# Allegro board rpi-cm4-carrierboard-v1_00-0a.brd (continued)
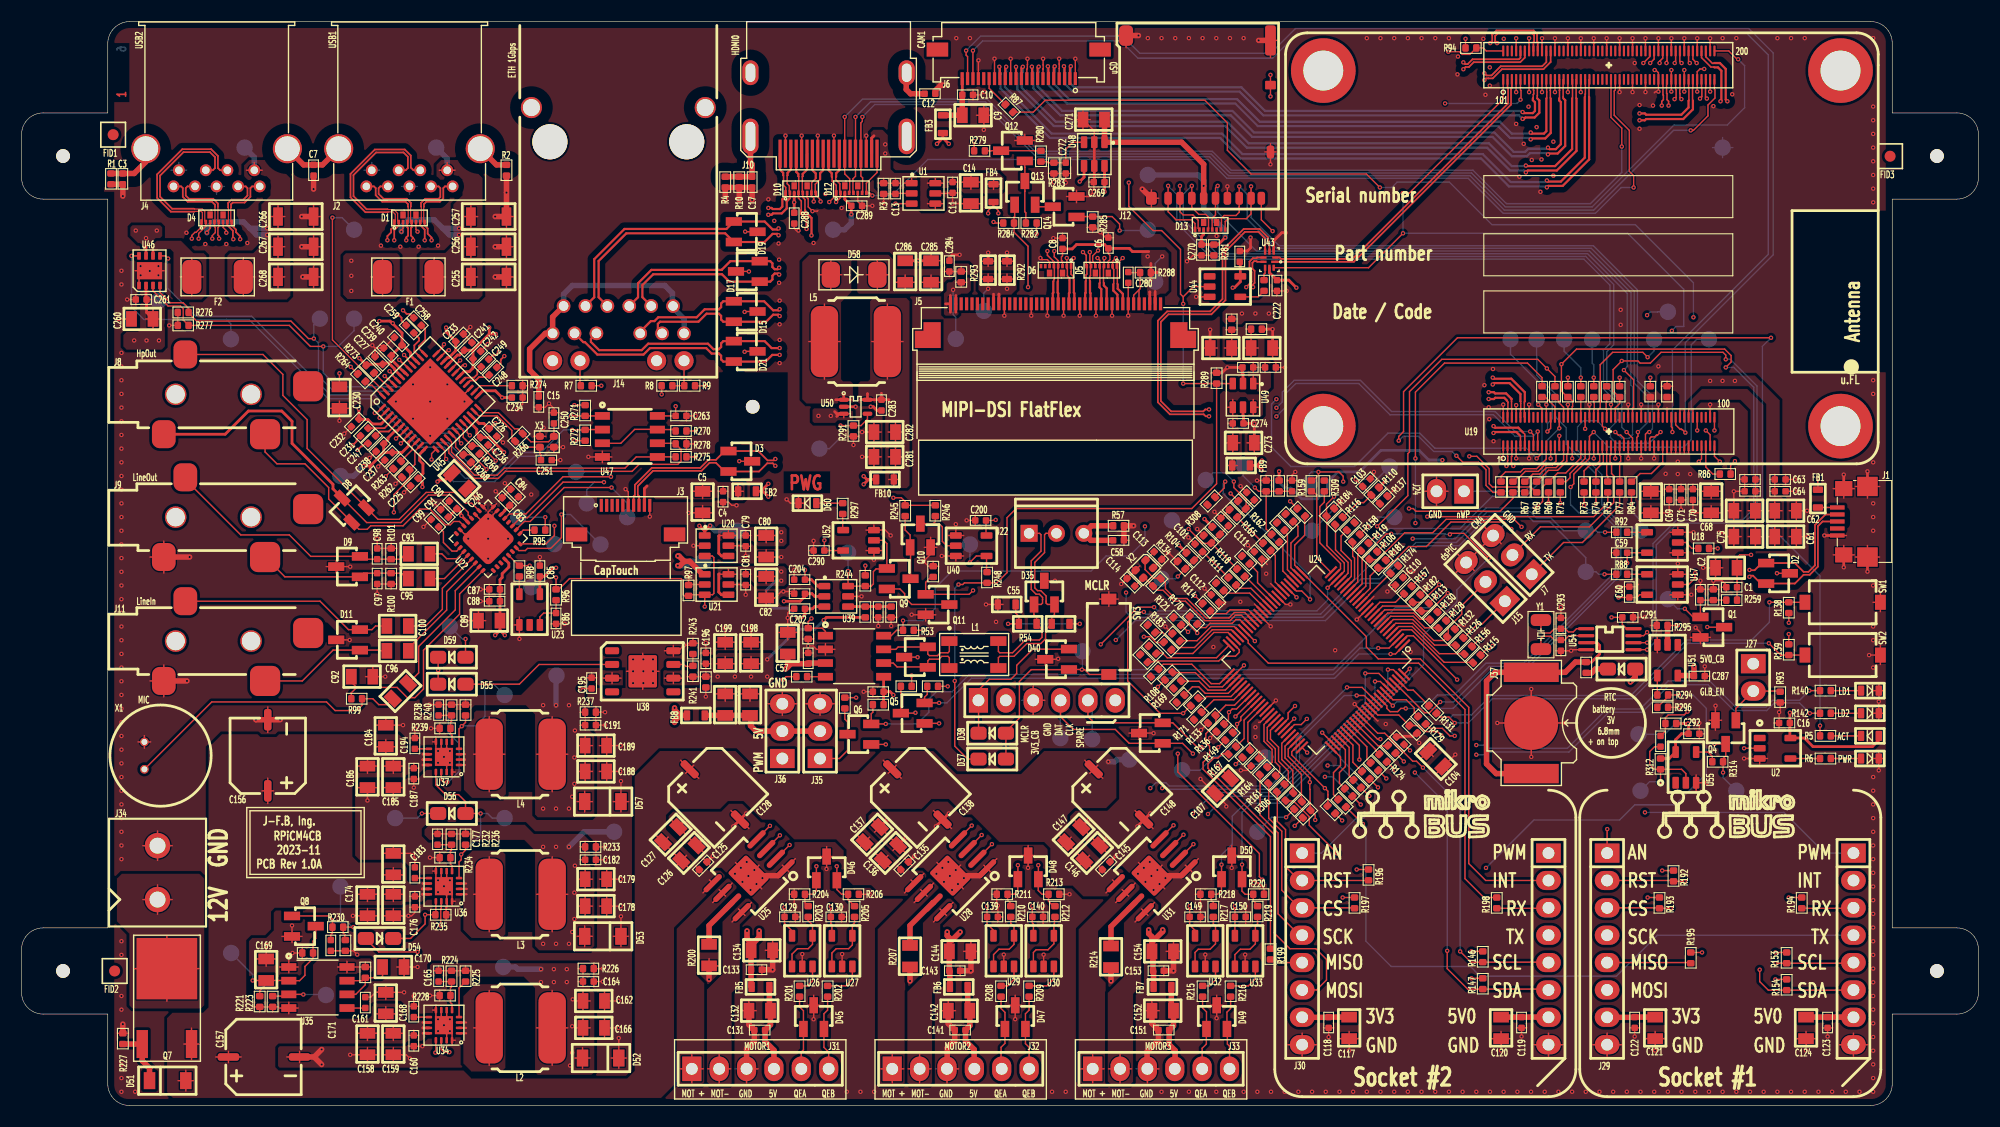
[diagram p0: board, top side]
## Nets (continued)
5V0_CB: C56.2 C57.1 C65.1 C68.1 C69.2 C70.2 C71.2 C119.2 C120.1 C123.2 C124.1 C129.2 C130.2 C133.2 C134.1 C139.2 C140.2 C143.2 C144.1 C149.2 C150.2 C153.2 C154.1 C162.1 C164.2 C165.2 C166.1 C204.1 C260.1 C261.2 C287.2 C292.1 D52.2(K) FB2.2 FB4.2 FB5.2 FB6.2 FB7.2 FB8.2 FB10.1 J27.1 J29.10 J30.10 L2.2 R152.1 R176.1 R189.1 R224.2 R225.1 R226.1 R312.2 R313.2 TP23.1(TEST) U15.3 U19.77 U19.79 U19.81 U19.83 U19.85 U19.87 U26.5 U27.5 U29.5 U30.5 U32.5 U33.5 U34.14(VOS) U39.1 U46.2 U51.5 U55.5
5V0_CB_EN: R223.2 TP20.1(TEST) U34.13 U35.3
5V0_PG: R225.2 U34.4
5V_HDMI0: C13.2 C288.2 C289.2 D10.3(VBUS) D12.3(VBUS) J10.18 R3.2 TP31.1(TEST) U1.1(OUT)
5V_SERVO: C205.1 C206.1 FB8.1 J35.2 J36.2
12V0_CB: C125.2 C126.1 C127.1 C128.1 C135.2 C136.1 C137.1 C138.1 C145.2 C146.1 C147.1 C148.1 C156.1 C157.1 C158.1 C159.1 C160.2 C161.1 C173.1 C174.1 C175.1 C176.2 C184.1 C185.1 C186.1 C187.2 D51.2(K) Q7.2(S) R110.2 R221.2 R222.2 R223.1 TP27.1(TEST) U25.5(VM) U28.5(VM) U31.5(VM) U34.10 U34.11 U34.12 U35.4 U35.8(VDD) U36.10 U36.11 U36.12 U37.10 U37.11 U37.12
12V0_PSU: J34.1 Q7.3
GND: C1.1 C2.2 C3.2 C4.1 C5.2 C6.1 C7.2 C8.1 C9.2 C10.1 C11.1 C12.2 C13.1 C14.2 C15.2 C16.1 C17.1 C54.1 C55.1 C56.1 C57.2 C58.2 C59.2 C60.2 C61.2 C62.2 C63.1 C64.1 C65.2 C68.2 C69.1 C70.1 C71.1 C75.2 C76.2 C77.1 C78.1 C79.1 C80.2 C81.1 C82.2 C83.2 C84.1 C85.1 C86.1 C87.2 C88.1 C89.2 C90.1 C91.2 C92.1 C97.2 C98.2 C99.1 C101.2 C102.2 C103.2 C104.2 C107.2 C108.1 C109.1 C110.1 C111.1 C112.1 C113.2 C114.2 C115.2 C116.2 C117.2 C118.1 C119.1 C120.2 C121.2 C122.1 C123.1 C124.2 C125.1 C126.2 C127.2 C128.2 C129.1 C130.1 C131.1 C132.2 C133.1 C134.2 C135.1 C136.2 C137.2 C138.2 C139.1 C140.1 C141.1 C142.2 C143.1 C144.2 C145.1 C146.2 C147.2 C148.2 C149.1 C150.1 C151.1 C152.2 C153.1 C154.2 C156.2 C157.2 C158.2 C159.2 C160.1 C161.2 C162.2 C164.1 C166.2 C168.1 C169.2 C170.2 C171.2 C172.1 C173.2 C174.2 C175.2 C176.1 C178.2 C179.2 C182.1 C183.1 C184.2 C185.2 C186.2 C187.1 C188.2 C189.2 C191.1 C194.1 C195.2 C196.1 C198.2 C199.2 C200.2 C201.2 C202.2 C203.2 C204.2 C205.2 C206.2 C222.1 C223.1 C224.1 C225.1 C226.1 C227.1 C230.2 C232.1 C233.1 C234.1 C236.1 C237.1 C238.1 C239.1 C240.1 C241.1 C242.1 C246.2 C250.2 C251.2 C255.2 C256.2 C257.2 C260.2 C261.1 C263.1 C266.2 C267.2 C268.2 C269.1 C270.1 C271.2 C272.2 C273.2 C274.1 C275.1 C276.1 C277.2 C279.2 C280.1 C281.2 C282.2 C283.1 C284.1 C285.2 C286.2 C287.1 C288.1 C289.1 C290.2 C291.1 C292.2 C293.1 C295.1 D1.6 D2.3 D3.3 D4.6 D5.6 D6.6 D9.3 D10.6 D11.3 D12.6 D13.6 D15.3 D17.3 D19.3 D20.1(K) D21.3 D34.3 D35.3 D39.3 D40.3 D41.1(K) D43.1(K) D45.3 D46.3 D47.3 D48.3 D49.3 D50.3 D52.1 D53.1 D57.1 D60.1(K) J1.1(V-) J1.6 J1.7 J1.8 J1.9 J2.4 J2.7 J3.6 J3.10 J4.4 J4.7 J5.11 J5.16 J5.19 J5.22 J5.25 J5.28 J5.31 J5.34 J6.1 J6.4 J6.7 J6.10 J6.13 J6.16 J6.19 J7.3 J9.1 J10.2 J10.5 J10.8 J10.11 J10.17 J11.1 J12.6(VSS) J12.11 J12.12 J12.13 J12.14 J15.3 J24.2 J28.3 J29.8 J29.9 J30.8 J30.9 J31.3 J32.3 J33.3 J34.2 J35.3 J36.3 J37.3(-) Q1.2(SOURCE) Q4.2(SOURCE) Q8.2(SOURCE) Q10.2(SOURCE) Q11.2(SOURCE) Q12.2(SOURCE) Q14.2(SOURCE) R1.2 R2.2 R3.1 R4.2 R10.1 R57.2 R58.2 R93.2 R97.2 R100.1 R101.1 R132.2 R133.2 R134.2 R135.2 R136.2 R137.2 R181.2 R182.2 R183.2 R184.2 R185.1 R186.1 R200.1 R204.2 R206.2 R207.1 R211.2 R213.2 R214.1 R218.2 R220.2 R226.2 R227.1 R228.1 R229.1 R231.1 R233.2 R234.1 R235.2 R237.2 R239.1 R242.2 R243.1 R249.2 R260.2 R262.1 R274.1 R276.1 R277.1 R278.1 R281.1 R283.2 R285.1 R287.1 R289.2 R291.2 R292.2 R293.2 R295.1 R296.2 R311.2 SW1.1 SW2.1 SW3.1 TP7.1(TEST) U1.2 U1.5 U2.3 U15.2(VSS) U17.1 U17.3 U18.1 U18.3 U19.1 U19.2 U19.7 U19.8 U19.13 U19.14 U19.22 U19.23 U19.32 U19.33 U19.42 U19.43 U19.52 U19.53 U19.59 U19.60 U19.65 U19.66 U19.71 U19.74 U19.98 U19.107 U19.108 U19.113 U19.114 U19.119 U19.120 U19.125 U19.126 U19.131 U19.132 U19.137 U19.138 U19.144 U19.150 U19.155 U19.156 U19.161 U19.162 U19.167 U19.168 U19.173 U19.174 U19.179 U19.180 U19.185 U19.186 U19.191 U19.192 U19.197 U19.198 U20.2 U20.5 U21.2 U21.5 U22.1 U22.3 U22.7 U22.31 U22.32 U22.33 U23.1 U24.13 U24.34 U24.40 U24.63 U24.87(VSS#87) U25.1 U25.9 U26.2(V-) U27.2(V-) U28.1 U28.9 U29.2(V-) U30.2(V-) U31.1 U31.9 U32.2(V-) U33.2(V-) U34.6 U34.7 U34.8 U34.15 U34.16 U34.17 U35.1 U36.6 U36.7 U36.8 U36.15 U36.16 U36.17 U37.6 U37.7 U37.8 U37.15 U37.16 U37.17 U38.8 U38.9(PAD) U39.5 U40.1 U40.3 U43.3 U44.3 U45.27 U45.49 U46.1 U46.9 U47.4 U48.2 U48.5 U49.2 U49.5 U50.2 U51.3 U52.1 U52.3 U54.4 U55.3 X1.2 X2.2 X2.4 X3.2 X3.4
23: J6.23
24: J6.24
BT_DISABLEN: U19.91
BTN1: R129.1 R138.2 SW1.2
BTN2: R131.1 R139.2 SW2.2
CAM1.CLK_N: J6.8 U19.127
CAM1.CLK_P: J6.9 U19.129
CAM1.D0_N: J6.2 U19.115
CAM1.D0_P: J6.3 U19.117
CAM1.D1_N: J6.5 U19.121
CAM1.D1_P: J6.6 U19.123
CAM1.D2_N: J6.11 U19.133
CAM1.D2_P: J6.12 U19.135
CAM1.D3_N: J6.14 U19.139
CAM1.D3_P: J6.15 U19.141
CAM_GPIO: J6.17 R87.1
CAM_VDD: C9.1 C10.2 FB3.1 J6.22
CAN_BUS.CAN_H: D35.1 J22.1 L1.4 R54.1
CAN_BUS.CAN_L: D35.2(CAT2) J22.2 L1.3 R56.1
CAN_CTRL.RXD: R55.1 R184.1 TP50.1(TEST) U24.23
CAN_CTRL.STBY: R53.2 R159.1 TP51.1(TEST) U15.8
CAN_CTRL.TXD: R58.1 R158.1 TP49.1(TEST) U15.1
CAN_H: D34.2(CAT2) L1.1 U15.7
CAN_L: D34.1 L1.2 U15.6
CAN_SHIELD: C58.1 J22.3 R57.1
CARD_DETECT: J12.9 Q14.1 R285.2 TP29.1(TEST)
CGND: C3.1 C7.1 C12.1 C17.2 J2.10 J2.11 J4.10 J4.11 J10.20 J10.21 J10.22 J10.23 J14.19 J14.20 R1.1 R2.1 R4.1 R10.2
CODEC_CLK_12MHZ: R98.1 TP46.1(TEST) U22.21
CODEC_MIC_BIAS: C92.2 R99.1 U22.16
CODEC_MIC_IN: C94.1 U22.15
DNC1: J3.11
DNC2: J3.12
DSI1.CLK_N: D6.1 J5.24 U19.187
DSI1.CLK_P: D6.2 J5.23 U19.189
DSI1.D0_N: D5.1 J5.33 U19.175
DSI1.D0_P: D5.2 J5.32 U19.177
DSI1.D1_N: D5.4 J5.30 U19.181
DSI1.D1_P: D5.5 J5.29 U19.183
DSI1.D2_N: D5.7 J5.27 U19.193
DSI1.D2_P: D5.8 J5.26 U19.195
DSI1.D3_N: D6.4 J5.21 U19.194
DSI1.D3_P: D6.5 J5.20 U19.196
DSI_3V3: C6.2 C8.2 D5.3(VBUS) D6.3(VBUS) J5.38 J5.39(VDD#39) R286.1 R288.1 TP14.1(TEST)
DSI_PWM: R69.1 R291.1 TP11.1(TEST) U50.4
DSPIC_DBG_RX: J15.2 R132.1 U24.7
DSPIC_DBG_TX: J15.1 R126.1
EEPROM_NWP: J24.1 U19.20
ETH.ETH_0_N: D15.1 J14.10 U19.10
ETH.ETH_0_P: D15.2(CAT2) J14.11 U19.12
ETH.ETH_1_N: D17.1 J14.5 U19.6
ETH.ETH_1_P: D17.2(CAT2) J14.4 U19.4
ETH.ETH_2_N: D19.1 J14.2 U19.9
ETH.ETH_2_P: D19.2(CAT2) J14.3 U19.11
ETH.ETH_3_N: D21.1 J14.9(TRD4-) U19.5
ETH.ETH_3_P: D21.2(CAT2) J14.8 U19.3
ETH.ETH_NLED1: R8.1 U19.19
ETH.ETH_NLED2: J14.13 U19.17
ETH.ETH_NLED3: J14.15 U19.15
EXT_RSTN: Q11.1 R92.2 R311.1 TP8.1(TEST)
GLOBAL_ENN: Q4.3 R314.2 TP18.1(TEST) U19.99
GPIO6: R68.2 U19.30
GPIO8: R71.2 U19.39
GPIO10: R72.1 U19.44
GPIO11: R70.1 U19.38
GPIO12: R69.2 U19.31
GPIO14: R77.2 U19.55
GPIO16: R67.2 U19.29
GPIO17: R76.2 U19.50
GPIO18: R75.2 U19.49
GPIO19: R66.1 U19.26
GPIO21: R62.2 U19.25
GPIO23: R74.2 U19.47
GPIO24: R73.2 U19.45
GPIO_VREF: R83.2 R85.2 U19.78
HDMI0.CEC: D12.4 J10.13 U19.151
HDMI0.CLK_N: D12.2 J10.12 U19.190
HDMI0.CLK_P: D12.1 J10.10 U19.188
HDMI0.D0_N: D10.8 J10.9 U19.184
HDMI0.D0_P: D10.7 J10.7 U19.182
HDMI0.D1_N: D10.5 J10.6 U19.178
HDMI0.D1_P: D10.4 J10.4 U19.176
HDMI0.D2_N: D10.2 J10.3 U19.172
HDMI0.D2_P: D10.1 J10.1 U19.170
HDMI0.HPD: D12.8 J10.19 U19.153
HDMI0.SCL: D12.5 J10.15 U19.200
HDMI0.SDA: D12.7 J10.16 U19.199
HP_GND: D8.3 J8.1 U22.4
HP_L: D8.1 J8.2 U22.6
HP_R: D8.2(CAT2) J8.3 U22.2
I2C0.SCL: J6.20 U19.80
I2C0.SDA: J6.21 U19.82
I2C3.SCL: R63.2 TP41.1(TEST) U19.34 U22.29 U54.6
I2C3.SDA: R64.2 TP40.1(TEST) U19.54 U22.27 U54.5
I2S.I2S_COFS: R66.2 TP45.1(TEST) U22.23
I2S.I2S_DIN: R95.2 TP43.1(TEST) U19.27
I2S.I2S_DOUT: R62.1 TP42.1(TEST) U22.26
I2S.I2S_SCLK: R75.1 TP44.1(TEST) U22.24
ICSPCLK: D39.2(CAT2) J28.5 TP66.1(TEST) U24.77
ICSPDAT: D39.1 J28.4 TP65.1(TEST) U24.75
JTAG.DSPIC_TDI: R73.1 U24.97
JTAG.RTCK: R74.1 TP2.1(TEST)
JTAG.TCK: TP4.1(TEST) U19.41 U24.93
JTAG.TDI: R163.1 TP6.1(TEST)
JTAG.TDO: TP1.1(TEST) U19.24
JTAG.TMS: TP3.1(TEST) U19.48 U24.92
JTAG.TRST: TP5.1(TEST) U19.46
L_IN_L: C96.2 D11.1 J11.2
L_IN_R: C100.2 D11.2(CAT2) J11.3
L_OUT_L: C95.1 C97.1 D9.1 J9.2 R100.2
L_OUT_R: C93.1 C98.1 D9.2(CAT2) J9.3 R101.2
LED1: R140.1 U24.70
LED2: R142.1 U24.81
LED+: J5.1 J5.2 R290.1 TP13.1(TEST)
LED-: J5.9 J5.10 R292.1 R293.1 TP12.1(TEST) U50.3
MCLRN: D37.1 D38.1 D40.1 R113.2 SW3.2 TP57.1(TEST) U24.10
MIC_IN: C94.2 R99.2 X1.1
MKB1.AN: J29.1 U24.2
MKB1.CSN: J29.3 R156.1 R193.2
MKB1.INT: J29.15 R106.2 U24.17
MKB1.MISO: R182.1 R195.1 U24.11
MKB1.MOSI: J29.6 R157.1
MKB1.PWM: J29.16 R128.1
MKB1.RSTN: J29.2 R115.1 R192.2
MKB1.RX: R181.1 R194.2 U24.16
MKB1.SCK: J29.4 R130.1
MKB1.SCL: J29.12 R153.2 U24.69
MKB1.SDA: J29.11 R154.2 U24.68
MKB1.TX: J29.13(TX) R175.1
MKB2.AN: J30.1 U24.18
MKB2.CSN: J30.3 R161.1 R197.2
MKB2.INT: J30.15 R148.2 U24.26
MKB2.MISO: R133.1 R199.1 U24.57
MKB2.MOSI: J30.6 R167.1
MKB2.PWM: J30.16 R173.1
MKB2.RSTN: J30.2 R196.2 R306.1
MKB2.RX: R183.1 R198.2 U24.46
MKB2.SCK: J30.4 R164.1
MKB2.SCL: J30.12 R146.2 U24.86
MKB2.SDA: J30.11 R147.2 U24.85
MKB2.TX: J30.13(TX) R170.1
MOTOR1.FAULTN: R109.2 U24.73 U25.4
MOTOR1.PWMH: R127.1 U25.2
MOTOR1.PWML: R103.1 U25.3
MOTOR1.QEIA: D46.1 R203.2 R204.1 U24.90
MOTOR1.QEIB: D46.2(CAT2) R205.2 R206.1 U24.91
MOTOR2.FAULTN: R150.2 U24.74 U28.4
MOTOR2.PWMH: R117.1 U28.2
MOTOR2.PWML: R120.1 U28.3
MOTOR2.QEIA: D48.1 R210.2 R211.1 U24.95
MOTOR2.QEIB: D48.2(CAT2) R212.2 R213.1 U24.96
MOTOR3.FAULTN: R145.2 U24.89 U31.4
MOTOR3.PWMH: R124.1 U31.2
MOTOR3.PWML: R125.1 U31.3
MOTOR3.QEIA: D50.1 R217.2 R218.1 U24.99
MOTOR3.QEIB: D50.2(CAT2) R219.2 R220.1 U24.100
MTH1: J14.17
MTH2: J14.18
MTH-1: U19.201
MTH-2: U19.202
MTH-3: U19.203
MTH-4: U19.204
N1804470_MOTOR4: R200.2 U25.7
N1804470_MOTOR5: R207.2 U28.7
N1804470_MOTOR6: R214.2 U31.7
N1804690_MOTOR4: R201.2 U26.3
N1804690_MOTOR5: R208.2 U29.3
N1804690_MOTOR6: R215.2 U32.3
N1804772_MOTOR4: R203.1 U26.1 U26.4
N1804772_MOTOR5: R210.1 U29.1 U29.4
N1804772_MOTOR6: R217.1 U32.1 U32.4
N1804818_MOTOR4: R202.2 U27.3
N1804818_MOTOR5: R209.2 U30.3
N1804818_MOTOR6: R216.2 U33.3
N1805192_MOTOR4: R205.1 U27.1 U27.4
N1805192_MOTOR5: R212.1 U30.1 U30.4
N1805192_MOTOR6: R219.1 U33.1 U33.4
N1805304_MOTOR4: C131.2 C132.1 FB5.1 J31.4
N1805304_MOTOR5: C141.2 C142.1 FB6.1 J32.4
N1805304_MOTOR6: C151.2 C152.1 FB7.1 J33.4
N2002601_MIKROBUS1: J29.5 R195.2
N2002601_MIKROBUS2: J30.5 R199.2
N2002805_MIKROBUS1: J29.14 R194.1
N2002805_MIKROBUS2: J30.14 R198.1
NC1: U38.1
NC2: U38.4
NC3: U38.5
NRPIBOOT: Q1.3 U19.93
OSCI: C113.1 R143.2 U24.42 X2.1
OSCO: C114.1 R143.1 U24.43 X2.3(X2)
OUTA_MOTOR4: J31.1 U25.6
OUTA_MOTOR5: J32.1 U28.6
OUTA_MOTOR6: J33.1 U31.6
OUTB_MOTOR4: J31.2 U25.8
OUTB_MOTOR5: J32.2 U28.8
OUTB_MOTOR6: J33.2 U31.8
PCIE.PCIE_CLK_N: U19.112 U45.2
PCIE.PCIE_CLK_NREQ: R94.2 R263.1 U19.102
PCIE.PCIE_CLK_P: U19.110 U45.1
PCIE.PCIE_NRST: TP33.1(TEST) U19.109 U45.47
PCIE.PCIE_RX_N: C247.1 U19.118
PCIE.PCIE_RX_P: C231.1 U19.116
PCIE.PCIE_TX_N: U19.124 U45.8
PCIE.PCIE_TX_P: U19.122 U45.7
PETX_N: C247.2 U45.5
PETX_P: C231.2 U45.4
PI_NLED_ACT: R5.1 R61.1
PI_NLED_PWR: R86.1 U2.2
PWG: Q9.1 R244.2 TP9.1(TEST) U39.6 U52.2
QEI_A_MOTOR4: D45.1 J31.5 R201.1
QEI_A_MOTOR5: D47.1 J32.5 R208.1
QEI_A_MOTOR6: D49.1 J33.5 R215.1
QEI_B_MOTOR4: D45.2(CAT2) J31.6 R202.1
QEI_B_MOTOR5: D47.2(CAT2) J32.6 R209.1
QEI_B_MOTOR6: D49.2(CAT2) J33.6 R216.1
RUN_PG: D54.1 R88.2 TP17.1(TEST)
SD_PWR_ON: Q13.1 R84.1 R284.1 TP28.1(TEST)
SD_VDD_OVRD: U19.73
SDIO.CLK: D13.5 J12.5 U19.57
SDIO.CMD: D13.4 J12.3 U19.62
SDIO.D0: D13.7 J12.7 U19.63
SDIO.D1: D13.8 J12.8 U19.67
SDIO.D2: D13.1 J12.1 U19.69
SDIO.D3: D13.2 J12.2 U19.61
SDIO_VDD: C270.2 C271.1 D13.3(VBUS) J12.4 R281.2 TP30.1(TEST) U48.1(OUT)
SPI2.CSN: R71.1 R149.2 TP59.1(TEST) U24.60
SPI2.SCLK: R72.2 TP60.1(TEST) U24.59
SPI2.SDI: R70.2 R136.1 TP61.1(TEST) U24.58
SPI2.SDO: R166.1 TP58.1(TEST) U19.40
SYS_RSTN: D37.2(K) R96.1 R97.1 R248.2 R262.2 R289.1 U1.3 U20.3 U21.3 U44.2 U45.11 U49.3
U3TD1_N: C249.1 U45.29
U3TD1_P: C248.1 U45.28
U3TD2_N: C259.1 U45.38
U3TD2_P: C258.1 U45.37
UART_RXD0: J7.2 U19.51
UART_TXD0: J7.1 R77.1
USB3_0-VBUS: C255.1 C256.1 C257.1 D1.3(VBUS) F1.2 J2.1(VBUS) TP38.1(TEST)
USB3_0.U2_N: D1.1 J2.2 U45.36
USB3_0.U2_P: D1.2 J2.3 U45.35
USB3_0.U3RXD_N: D1.4 J2.5 U45.32
USB3_0.U3RXD_P: D1.5 J2.6 U45.31
USB3_0.U3TXD_N: C249.2 D1.7 J2.8
USB3_0.U3TXD_P: C248.2 D1.8 J2.9
USB3_1-VBUS: C266.1 C267.1 C268.1 D4.3(VBUS) F2.2 J4.1(VBUS) TP39.1(TEST)
USB3_1.U2_N: D4.1 J4.2 U45.45
USB3_1.U2_P: D4.2 J4.3 U45.44
USB3_1.U3RXD_N: D4.4 J4.5 U45.41
USB3_1.U3RXD_P: D4.5 J4.6 U45.40
USB3_1.U3TXD_N: C259.2 D4.7 J4.8
USB3_1.U3TXD_P: C258.2 D4.8 J4.9
USB.OTG_ID: C223.2 Q1.1 R259.1 R260.1 TP32.1(TEST) U19.101 U43.10
USB.USB_N: U19.103 U43.2
USB.USB_P: U19.105 U43.1
USB_HOST.USB_N: D3.2(CAT2) J3.8 U43.4
USB_HOST.USB_P: D3.1 J3.7 U43.5
USB_OTG.OTG_ID: C1.2 C2.1 FB1.2 R259.2
USB_OTG.USB_N: D2.1 J1.4 U43.6
USB_OTG.USB_P: D2.2(CAT2) J1.3 U43.7
WL_DISABLEN: U19.89
N23091: R274.2 U45.26
N24810: R264.2 U45.48
N25141: R263.2 U45.10
N33481: R273.2 U45.46
N33697: R272.1 U45.13 U47.2
N33866: R271.1 U45.14 U47.1
N33870: R278.2 U45.15 U47.6
N33874: R275.1 U45.16 U47.5
N34072: R89.1 U19.100
N35185: C250.1 R266.2 U45.24 X3.1
N35189: C251.1 R266.1 U45.23(XT2) X3.3(X2)
N50697: R277.2 TP35.1(TEST) U45.20 U46.3
N50727: R269.1 TP34.1(TEST) U45.19 U46.8
N50819: R268.1 TP36.1(TEST) U45.17 U46.5
N50831: R276.2 TP37.1(TEST) U45.18 U46.4
N60225: F2.1 U46.6(OUT2)
N60240: F1.1 U46.7
N112417: R270.1 U47.3(W\P\) U47.7
N1457101: J14.14 R7.1
N1457441: J14.16 R8.2 R9.1
N1460716: C15.1 J14.1 J14.6 J14.7 J14.12
N1463547: D16.1(K) R5.2
N1465792: D20.2 R6.2
N1465804: R6.1 U2.4(Y)
N1480866: R95.1 U22.25
N1481772: C99.2 U22.10
N1481776: C93.2 U22.11
N1481780: C95.2 U22.12
N1481784: C100.1 U22.13
N1481788: C96.1 U22.14
N1483323: R98.2 U23.5
N1489419: C86.2 R96.2 U23.3
N1490066: R86.2 U19.95
N1504962: C11.2 C14.1 FB4.1 U1.4 U1.6
N1516660: R261.1 U43.8
N1527044: R84.2 U19.75
N1543639: C280.2 J5.35 J5.36 R288.2
N1563208: C275.2 C276.2 C277.1 C279.1 R286.2 R287.2 U49.1(OUT)
N1563658: C273.1 C274.2 FB9.2 U49.4 U49.6
N1566337: C281.1 C282.1 C283.2 FB10.2 L5.1 U50.5(VIN)
N1566627: D58.1 L5.2 U50.1
N1567374: C284.2 C285.1 C286.1 D58.2(K) R290.2
N1589492: C4.2 C5.1 FB2.1 J3.9(USB_VDD)
N1590951: C272.1 R280.1 R283.1 U48.3
N1591752: Q13.2(SOURCE) Q14.3
N1592965: Q12.1 Q13.3 R282.1
N1593115: Q12.3 R279.1 R280.2
N1597435: R87.2 U19.97
N1609412: R61.2 U19.21
N1617512: R166.2 U24.62
N1628548: R89.2 U18.2
N1628552: R92.1 U18.4(Y)
N1630350: FB1.1 J1.5
N1631796: U17.2 U19.92
N1633388: L2.1 U34.1 U34.2 U34.3
N1646289: J27.2 Q4.1 R93.1
N1652499: R88.1 U17.4(Y)
N1661515: D38.2(K) D40.2(CAT2) J28.1
N1661596: R261.2 U44.4(Y)
N1664018: C201.1 R247.1 R249.1 U39.4(V4IN)
N1664704: C168.2 U34.9
N1666345: C165.1 R224.1 R228.2 U34.5
N1668031: R248.1 TP10.1(TEST) U40.4(Y)
N1668719: L3.1 U36.1 U36.2 U36.3
N1668789: R55.2 U15.4
N1669267: C177.1 R232.1 R234.2 U36.5
N1669411: C183.2 U36.9
N1669891: Q9.3 Q10.1 R245.2
N1669929: Q9.2(SOURCE) Q11.3
N1670581: L4.1 U37.1 U37.2 U37.3
N1671018: Q10.3 R246.2 U40.2
N1671129: C192.1 R238.1 R239.2 U37.5
N1671273: C194.2 U37.9
N1677258: R241.1 R243.2 U38.7
N1679934: R163.2 U24.72
N1682607: D43.2 R142.2
N1682883: D41.2 R140.2
N1695805: D60.2 R297.2
N1695881: R297.1 U52.4(Y)
N1699041: D51.1 Q7.1 R227.2
N1722142: C171.1 U35.5
N1725311: C170.1 R222.1 U35.6 U35.7
N1728539: C169.1 Q8.3 R221.1 R229.2 TP19.1(TEST) U35.2
N1738779: C172.2 Q8.1 R230.2
N1779373: C55.2 R54.2 R56.2
N1801148: R230.1 R231.2 TP62.1(TEST) U24.31
N1805591: R294.2 U51.4(Y)
N1805595: D59.1 R294.1 R296.1 TP63.1(TEST)
N1829775: C293.2 U54.1 Y1.2
N1829787: C295.2 U54.2(X2) Y1.1
N1836528: C294.1 R313.1 TP15.1(TEST) U54.7
N1837103: C294.2 R312.1 TP16.1(TEST) U55.2
N1837525: R314.1 U55.4(Y)
N1839918: J37.1 J37.2 R315.2 U54.3
N1840337: D61.2(K) R315.1
N1856740: R122.2 U24.48
N1857222: R123.2 U24.55
N1857463: Q6.2(SOURCE) R190.2 U24.3
N1857568: Q5.2(SOURCE) R177.2 U24.1
N1925760: R60.2 R122.1 U19.37
N1925772: R68.1 R108.2 U24.52
N1925792: R123.1 U19.28
N1928345: C116.1 R152.2 R162.1 R186.2 TP54.1(TEST)
N1929076: R162.2 U24.29
N1930230: R116.1 U24.22
N1930234: C103.1 R110.1 R116.2 R137.1 TP52.1(TEST)
N1932667: C102.1 R105.2 R118.1 R135.1 TP56.1(TEST)
N1932721: R118.2 U24.36
N1933298: C115.1 R151.2 R165.1 R185.2 TP53.1(TEST)
N1933346: R165.2 U24.32
N1936579: R111.2 U24.37
N1938060: C101.1 R104.2 R111.1 R134.1 TP55.1(TEST)
N1945873: R127.2 U24.78
N1945979: R117.2 U24.80
N1946085: R120.2 U24.82
N1946191: R103.2 U24.79
N1947515: R125.2 U24.84
N1947521: R124.2 U24.83
N1964678: R158.2 U24.20
N1964682: R159.2 U24.25
N1994509: R126.2 U24.6
N1998149: R128.2 U24.8
N1999192: R115.2 U24.4
N1999371: R156.2 U24.5
N2001174: R130.2 U24.9
N2004201: R157.2 U24.12
N2004747: R174.2 U24.15
N2012235: R173.2 U24.71
N2012968: R119.2 U24.19
N2015022: R112.2 U24.28
N2015506: R172.2 U24.35
N2017601: R114.2 U24.41
N2018000: R170.2 U24.44
N2020042: R121.2 U24.45
N2028777: R164.2 U24.65
N2028865: R161.2 U24.66
N2029031: R131.2 U24.98
N2029037: R129.2 U24.94
N2029599: R167.2 U24.61
N2033331: R102.2 U24.21
N2033399: R168.2 U24.49
N2033465: R169.2 U24.53
N2033531: R171.2 U24.56
N2033597: R175.2 U24.76
N2041263: J35.1 Q6.3 R189.2
N2041275: J36.1 Q5.3 R176.2
N2041646: R303.2 U24.27
N2041706: R304.2 U24.51
N2041766: R305.2 U24.54
N2106043: R306.2 U24.67
N2114099: R307.2 U24.50
N2122347: R308.2 U24.30
N2122407: R309.2 U24.24
N2122467: R310.2 U24.47
N2188449: R160.2 U24.38

Pads without a net: D1 9 10; D4 9 10; D5 9 10; D6 7 8 9 10; D10 9 10; D12 9 10; D13 9 10; FID1 1; FID2 1; FID3 1; J1 2; J3 1 2 3 4 5; J5 3 4 5 6 7 8 12 13 14 15 17 18 37 40; J6 18; J8 4 5 6; J9 4 5 6; J10 14; J11 4 5 6; J28 6; R67 1; R76 1; R102 1; R112 1; R114 1; R119 1; R121 1; R160 1; R168 1; R169 1; R171 1; R172 1; R174 1; R303 1; R304 1; R305 1; R307 1; R308 1; R309 1; R310 1; U2 1; U19 16 18 35 36 56 58 64 68 70 72 76 94 96 104 106 111 128 130 134 136 140 142 143 145 146 147 148 149 152 154 157 158 159 160 163 164 165 166 169 171; U22 8 9 17 18 19 22 28; U23 2; U44 1; U51 1; U55 1

## Via types
v1: diameter 0.406, hole 0.203, TOP to BOTTOM, 1252 vias
v2: diameter 0.4, hole 0.2, TOP to BOTTOM, 15 vias

## Routing (per net, layer and track width the routed paths; a pad name or vN(x,y) marks a point on that pad's centre or on a via; arc(x,y) is an arc through that point)
1V0_CB: length 100.7
  TOP w0.127: 64.4,41 C199.1 ; C199.1 66.2,41 ; C199.1 65.3,40.32 ; C199.1 65.3,41.68 ; 62.97,39.8 R242.1 ; R242.1 64.03,39.8 ; R242.1 63.5,40.28 ; 63.02,41 C196.2 ; C196.2 63.5,40.52 ; C196.2 63.98,41 ; R241.2 62.83,39.8 ; R241.2 62.3,39.32 ; R241.2 61.77,39.8 ; U38.6 61.32,39.66 ; U38.6 59.66,39.66 ; U38.6 60.49,39.16 ; U38.6 60.49,40.16 ; C198.1 67.7,41.68 ; C198.1 68.6,41 ; C198.1 66.8,41 ; C198.1 67.7,40.32
  TOP w0.254: C240.2 35.31,71.69 34.4,72.6 ; C240.2 C239.2 34.31,69.24 35.57,67.98 U45.42 ; C240.2 35.36,70.59 36.1,69.85 36.1,69.6 36.66,69.04 U45.39 ; U45.9 36.32,61.97 35.9,61.55 35.9,61.2 35.31,60.61 C237.2 33.61,60.61 ; 43.4,71.6 41.89,70.09 ; 43.4,71.6 v1(44,71.6) ; 43.4,71.6 v1(43.4,72.2) ; 41.89,70.09 C242.2 41.89,68.44 41.55,68.1 41.05,68.1 40.58,67.63 U45.30 ; 41.89,70.09 C241.2 40.65,69.65 40.45,69.65 39.51,68.71 U45.33 ; 32.35,59.35 v1(32.35,58.8) ; 32.35,59.35 v1(31.75,59.35) ; 32.35,59.35 33.61,60.61 ; 33.61,60.61 C238.2 34,61.8 34,61.95 34.65,62.6 34.85,62.6 35.27,63.02 U45.6 ; v1(44.77,60.62) 43.39,62.01 C236.2 42.25,62.35 42.25,62.75 41.28,63.72 U45.21 ; v1(33.2,72.8) 34.2,72.8 34.4,72.6 ; v1(38.6,57.9) 38.75,58.05 39.3,58.05 39.92,58.67 C246.1 ; R104.1 v1(107.4,52) ; R247.2 74.7,45.3 v1(74.45,45.05) ; 34.4,72.6 v1(34.45,72.6)
  POW_INNER3 w0.254: v1(74.45,45.05) 77.55,45.05 78.95,43.65 82.05,43.65 83.95,45.55 90.6,45.55 94.7,49.65 106,49.65 107.4,51.05 v1(107.4,52)
  BOTTOM w0.254: v1(74.45,45.05) 73.6,44.2 72,44.2 v1(69.2,41.4)
  BOTTOM w0.508: TP26.1 30.82,58.42 v1(31.75,59.35)
  vias: v1(64.6,39.8) v1(66.2,39.8) v1(67.7,39.8) v1(69.2,39.8)
1V8_CB: length 106
  TOP w0.127: 64.87,49.3 U21.6 ; U21.6 66.33,49.3 ; U21.6 65.6,49.78 ; C188.1 52.98,31 ; C188.1 51.62,31 ; C188.1 52.3,30.1 ; C188.1 52.3,31.9 ; U38.3 54.8,40.16 ; U38.3 53.97,39.66 ; U38.3 54.8,39.16 ; U38.3 55.63,39.66 ; 69.1,48.42 C82.1 ; C82.1 70,49.1 ; C82.1 69.1,49.78 ; C82.1 68.2,49.1 ; L4.2 49.24,36.08 ; L4.2 49.24,29.12 ; L4.2 47.79,32.6 ; L4.2 50.69,32.6 ; D57.2 52.97,28.2 ; D57.2 52.26,29.17 ; D57.2 51.55,28.2 ; D57.2 52.26,27.23 ; 52.3,34.82 C191.2 ; C191.2 51.82,35.3 ; C191.2 52.3,35.78 ; 52.42,39.7 C195.1 ; C195.1 53.38,39.7 ; C195.1 52.9,40.18 ; 66.72,49.3 C81.2 ; C81.2 67.2,49.78 ; C81.2 67.68,49.3 ; U37.14 38.95,30.2 39.15,30 v1(39.5,30) ; 52.3,35.97 R237.1 ; R237.1 52.3,37.03 ; R237.1 51.82,36.5 ; R240.1 41.2,37.68 ; R240.1 41.73,37.2 ; R240.1 R238.2 C192.2 v1(37.85,37.2) ; 52.3,32.5 C189.1 ; C189.1 52.98,33.4 ; C189.1 52.3,34.3 ; C189.1 51.62,33.4
  TOP w0.254: v1(72,45.25) 72.4,45.25 72.7,45.55 C202.1 73.4,46.1 73.6,46.3 U39.3 ; R105.1 v1(109.78,54.42) ; U21.4 64.95,47.4 64.7,47.65 64.7,49.3 64.75,49.35
  POW_INNER3 w0.254: v1(109.78,54.42) 107.28,54.42 104,51.15 92.9,51.15 88.4,46.65 73.4,46.65 v1(72,45.25)
  BOTTOM w0.127: v1(39.5,30) 39.6,30 40.6,31 40.6,33.6 39.6,34.6 39.6,36.5 38.9,37.2 v1(37.85,37.2)
  BOTTOM w0.254: v1(72,45.25) 71.11,46.14 69.8,46.14 69.4,46.54 69.4,46.9 69.1,47.2 69.1,47.8 70,48.7 v1(70.5,48.7)
  BOTTOM w0.508: v1(49.6,37.15) 49.6,39.85 TP25.1
  vias: v1(48.4,37.15) v1(48.4,27.55) v1(49.6,27.55) v1(50.8,37.15) v1(50.8,27.55) v1(51.1,28.65) v1(51.3,32.3) v1(51.3,29.85) v1(51.35,34.8) v1(70.5,49.55)
1V8_CM4: length 10.8
  TOP w0.127: 160.9,56.52 C77.2 ; C77.2 161.38,57 ; C77.2 160.9,57.48 ; U19.90 155.1,64.2 155.1,64.65 ; 160.9,51.9 C75.1 ; C75.1 161.58,52.8 ; C75.1 160.22,52.8 ; C75.1 160.9,53.7 ; C76.1 160.9,56.1 ; C76.1 160.9,54.3 ; C76.1 161.58,55.2 ; C76.1 160.22,55.2 ; 154.7,64.65 154.7,64.15 U19.88 ; 160.9,57.62 C78.2 ; C78.2 160.9,58.58 ; C78.2 161.38,58.1
1V8_CODEC: length 10.1
  TOP w0.127: C84.2 46.45,56.15 ; C84.2 46.45,56.83 ; C84.2 45.77,56.15 ; 45.64,55.36 C83.1 45.64,56.04
  TOP w0.254: C83.1 44.85,55.25 44.85,55.2 44.5,54.85 U22.30
  TOP w0.508: v1(60.9,51) 61,51 61.5,50.5 ; 61.5,50.5 61.1,50.1 v1(60.9,50.1) ; 61.5,50.5 62,50.5 63.2,49.3 U21.1
  BOTTOM w0.508: TP48.1 62.1,50.5 61.7,50.1 v1(60.9,50.1)
  vias: v1(46.5,57.55) v1(47.3,56.7)
1V8_PG: length 25.5
  TOP w0.127: U37.4 40.6,34.95 v1(40.85,35.2) 41.2,35.55 R240.2 ; U38.2 48.03,40.93 46.2,39.1 v1(43,39.1) D55.1
  BOTTOM w0.127: TP22.1 43.83,39.1 v1(43,39.1) 43,36.1 42.13,35.23 40.88,35.23 v1(40.85,35.2)
3V3_CB: length 204.2
  TOP w0.127: 115.75,50.7 115.74,50.69 C111.2 ; 127.5,47.7 127.49,47.71 C110.2 ; Q5.1 v1(85.15,35.46) ; C108.2 115.25,32.65 ; C108.2 114.81,32.77 114.9,32.87 114.9,32.9 ; C108.2 115.26,32.21 115.4,32.35 ; Q6.1 v1(80.2,33.51) ; C111.2 115.11,49.96 115.1,49.95 ; C111.2 115.6,50.2 ; C177.2 38.6,25.68 ; C177.2 R232.2 R236.1 ; C177.2 38.12,25.2 ; R244.1 v1(78.3,50.1) ; 52.3,20.1 C179.1 ; C179.1 52.98,21 ; C179.1 52.3,21.9 ; C179.1 51.62,21 ; R275.2 v1(62.55,60.2) ; U24.14 124.63,46.38 125.5,47.25 ; R146.1 v1(134.55,14.3) ; U40.5 89.5,52.95 C200.1 90.35,54.3 v1(90.4,54.35) ; 129.13,34.18 R145.1 129.84,34.21 ; R270.2 v1(62.55,62.6) ; 114.8,35.55 114.93,35.55 U24.64 ; C178.1 52.3,19.4 ; C178.1 52.3,17.6 ; C178.1 52.98,18.5 ; C178.1 51.62,18.5 ; R139.1 v1(164,43.75) ; C104.1 131.17,33.51 ; C104.1 130.05,33.35 ; C104.1 129.89,32.23 ; C104.1 131.01,32.39 ; R151.1 v1(112.2,56.8) ; 115.9,48.45 116.84,47.51 U24.33 ; 68.2,52.9 C80.1 ; C80.1 70,52.9 ; C80.1 69.1,53.58 ; C80.1 69.1,52.22 ; v1(60.7,64.9) C263.2 U47.8 ; 51.55,15.7 D53.2 ; D53.2 52.26,14.73 ; D53.2 52.26,16.67 ; D53.2 52.97,15.7 ; R153.1 v1(162.75,14.2) ; R108.1 v1(105.45,38.85) ; R83.1 v1(151.15,67.55) ; C112.2 111.51,46.69 ; C112.2 111.45,46.35 ; C112.2 111.11,46.14 111.2,46.05 ; 111.51,46.69 111.74,46.69 111.75,46.7 ; 111.51,46.69 111.51,46.63 111.63,46.5 111.7,46.5 ; C110.2 126.86,48.29 126.85,48.3 ; C110.2 127.1,47.9 ; R279.2 v1(88.4,89.5) ; C79.2 67.68,52.9 ; C79.2 66.72,52.9 ; C79.2 67.2,53.38 ; v1(74.5,52.45) C290.1 U52.5 ; v1(115.9,93.65) J12.10 v1(115.9,95.65) ; v1(80.9,56.4) 81.65,56.4 82,56.05 R245.1 R246.1 ; R284.2 90.3,81.9 v1(90.2,82) ; 51.82,22.8 C182.2 ; C182.2 52.3,22.32 ; C182.2 52.3,23.28 ; R9.2 v1(63.45,66.8) ; R196.1 v1(123.9,21.9) ; R192.1 v1(152.25,21.8) ; R236.1 41.2,25.68 ; R236.1 41.73,25.2 ; v1(38.9,16.7) 38.9,18.25 38.95,18.3 U36.14 ; U24.39 115.14,45.81 114.4,46.55 ; R272.2 v1(51.3,61.7) ; R197.1 v1(122.6,19.3) ; R113.1 v1(131.25,47.25) ; R109.1 v1(118.15,25.95) ; C230.1 v1(29.5,67.95) ; R269.2 v1(43.05,59.95) ; R138.1 v1(164,44.8) ; R94.1 v1(134,99) ; 125.9,35.7 125.82,35.7 124.91,36.62 ; R177.1 v1(85.95,38.9) ; v1(147.55,45.3) C291.2 148.55,44.65 148.95,44.25 U54.8 ; 51.82,24 R233.1 ; R233.1 52.3,24.53 ; R233.1 52.3,23.47 ; 47.79,19.6 L3.2 ; L3.2 49.24,16.12 ; L3.2 50.69,19.6 ; L3.2 49.24,23.08 ; R60.1 v1(141.7,55.95) ; R64.1 v1(148.3,67.55) ; 64.87,52.9 U20.6 ; U20.6 65.6,53.38 ; U20.6 66.33,52.9 ; R264.1 v1(30.55,68.55) ; R149.1 v1(111.05,33.25) ; R106.1 v1(126.45,52.05) ; R271.2 v1(51.3,65) ; R193.1 v1(150.9,19.3) ; C107.1 v1(111.02,31.52) ; R7.2 v1(53.8,66.8) ; R154.1 v1(162.75,11.7) ; 127.93,34.55 C109.2 127.25,34.55 ; R282.2 v1(94.2,80.9) ; R53.1 v1(83.75,44.1) ; R150.1 v1(122.55,26.45) ; R147.1 v1(134.55,11.8) ; R268.2 v1(42.25,59.15) ; v1(143.5,67.55) R63.1 ; R148.1 v1(117.72,56.08)